# KiCad board kimotor-project.kicad_pcb (continued)
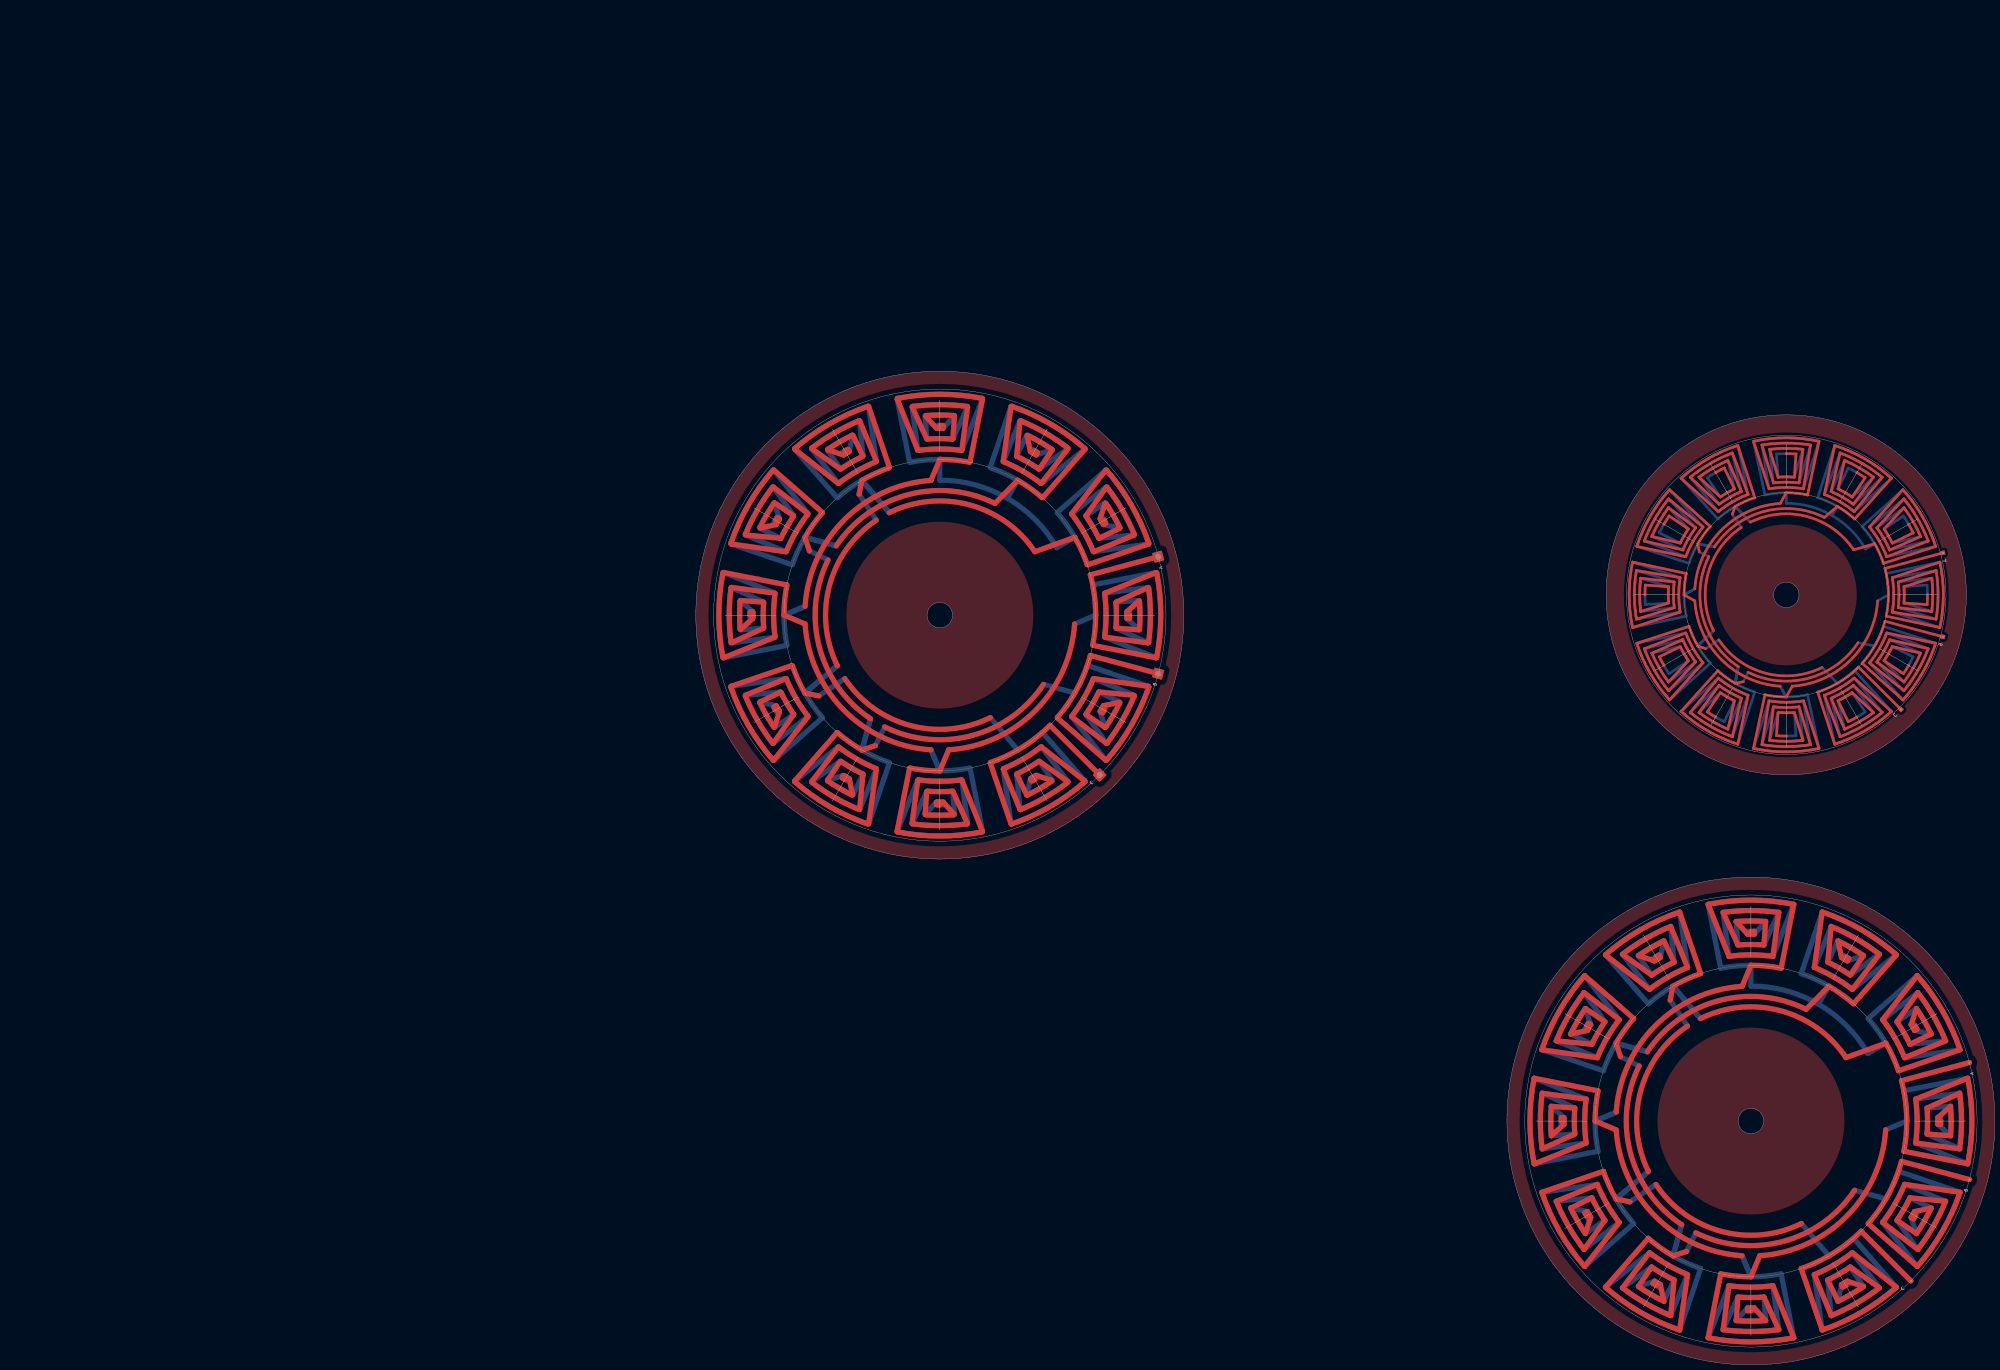
[diagram p0: board, top side]
## Routing (per net, layer and track width the routed paths; a pad name or vN(x,y) marks a point on that pad's centre or on a via; arc(x,y) is an arc through that point) (continued)
  Bottom w2.034: v17(65,346.44) v2(75.72,333.73) v17(65,346.44) ; v17(65,346.44) arc(72.16,349.97) 55.49,339.66 arc(55.34,339.61) 55.21,339.68 38.68,358.57 arc(38.63,358.72) 38.7,358.86 arc(52.25,368.53) 67.36,375.41 arc(67.53,375.39) 67.62,375.25 70.67,353.92 arc(70.65,353.8) 70.55,353.71 arc(62.97,349.97) 55.96,345.3 arc(55.82,345.26) 55.68,345.33 45.34,358.77 arc(45.3,358.92) 45.37,359.06 arc(54.28,365) 63.83,369.72 arc(64.01,369.71) 64.1,369.56 65.42,356.01 arc(65.39,355.89) 65.3,355.81 arc(60.93,353.49) 56.79,350.9 arc(56.64,350.87) 56.51,350.95 51.54,358.25 arc(51.51,358.4) 51.6,358.53 arc(56.32,361.48) 61.05,364 arc(61.26,363.98) 61.33,363.78 60.07,357.75 arc(60.03,357.67) 59.97,357.62 arc(58.9,357.01) 57.93,356.45 arc(57.78,356.42) 57.66,356.51 57.3,357.11 arc(57.28,357.26) 57.37,357.38 arc(67.07,362.26) v18(58.35,357.96) ; v17(382.51,148.33) v2(393.23,135.62) v17(382.51,148.33) ; v17(382.51,148.33) arc(389.67,151.86) 372.85,141.41 356.06,160.61 arc(369.76,170.41) 385.1,177.37 388.21,155.65 arc(380.48,151.85) 373.32,147.06 362.73,160.82 arc(371.8,166.89) 381.59,171.71 382.94,157.75 arc(378.44,155.37) 374.13,152.67 368.94,160.3 arc(373.83,163.37) 378.93,166.06 377.56,159.55 arc(376.41,158.9) 375.27,158.23 374.71,159.16 arc(384.58,164.14) v18(375.86,159.84) ; v17(95.5,232.62) v2(92.04,240.87) v17(95.5,232.62) ; v17(95.5,232.62) arc(87.54,233.14) 107.13,233.73 arc(107.28,233.7) 107.36,233.58 112.23,208.95 arc(112.2,208.8) 112.07,208.72 arc(95.5,207.12) 78.97,208.71 arc(78.83,208.81) 78.82,208.98 86.85,228.97 arc(86.93,229.07) 87.06,229.1 arc(95.5,228.55) 103.9,229.09 arc(104.05,229.05) 104.12,228.92 106.36,212.11 arc(106.32,211.96) 106.19,211.88 arc(95.5,211.18) 84.88,211.87 arc(84.73,211.97) 84.72,212.15 90.36,224.54 arc(90.44,224.63) 90.55,224.66 arc(95.5,224.48) 100.39,224.65 arc(100.53,224.6) 100.6,224.47 101.25,215.66 arc(101.2,215.52) 101.06,215.45 arc(95.5,215.25) 90.14,215.44 arc(89.97,215.56) 90.01,215.77 94.12,220.36 arc(94.19,220.41) 94.27,220.42 arc(95.5,220.41) 96.62,220.42 arc(96.76,220.36) 96.82,220.22 96.84,219.53 arc(96.78,219.39) 96.64,219.33 arc(85.8,219.96) v18(95.5,219.32) ; v17(42.67,324.12) v2(54.93,320.73) v17(42.67,324.12) ; v17(42.67,324.12) arc(47.11,330.75) 37.83,313.49 arc(37.73,313.37) 37.57,313.36 13.82,321.46 arc(13.7,321.56) 13.69,321.72 arc(20.59,336.87) 30.23,350.38 arc(30.39,350.45) 30.54,350.38 43.85,333.43 arc(43.89,333.31) 43.85,333.19 arc(39.15,326.15) 35.42,318.6 arc(35.31,318.5) 35.16,318.5 19.48,324.96 arc(19.37,325.07) 19.37,325.22 arc(24.11,334.83) 30.02,343.69 arc(30.18,343.77) 30.34,343.68 38.25,332.61 arc(38.29,332.49) 38.25,332.38 arc(35.63,328.18) 33.33,323.87 arc(33.22,323.76) 33.07,323.77 25.12,327.61 arc(25.01,327.73) 25.02,327.88 arc(27.63,332.8) 30.47,337.35 arc(30.67,337.43) 30.83,337.3 32.75,331.44 arc(32.75,331.36) 32.73,331.28 arc(32.1,330.22) 31.55,329.24 arc(31.43,329.15) 31.28,329.17 30.67,329.5 arc(30.58,329.62) 30.6,329.77 arc(36.56,338.84) v18(31.16,330.76) ; v2(453.58,68.39) v17(465.84,65) arc(461.41,58.37) 470.75,75.82 494.89,67.59 arc(487.92,52.25) 478.12,38.55 464.57,55.81 arc(469.36,62.97) 473.17,70.7 489.22,64.08 arc(484.4,54.28) 478.33,45.21 470.18,56.62 arc(472.89,60.93) 475.27,65.43 483.58,61.42 arc(480.88,56.32) 477.81,51.43 475.74,57.76 arc(476.41,58.9) 477.06,60.05 478.01,59.52 arc(471.96,50.27) v18(477.35,58.35) ; v2(73.92,249.85) v2(70.32,242.56) ; v2(369.25,117.08) v2(361.95,120.68) ; v2(465.76,92.04) v17(474.01,95.5) arc(473.49,87.54) 472.86,107.32 497.87,112.27 arc(499.51,95.5) 497.87,78.73 477.51,86.9 arc(478.08,95.5) 477.51,104.1 494.72,106.39 arc(495.44,95.5) 494.72,84.61 481.96,90.41 arc(482.15,95.5) 481.96,100.59 491.16,101.26 arc(491.38,95.5) 491.16,89.74 486.2,94.18 arc(486.22,95.5) 486.2,96.82 487.3,96.84 arc(486.67,85.8) v18(487.31,95.5) ; v2(70.65,330.81) v2(63.87,340.95) ; v2(432.8,55.38) v17(443.51,42.67) arc(436.36,39.14) 453.17,49.59 469.96,30.39 arc(456.26,20.59) 440.92,13.63 437.82,35.35 arc(445.55,39.15) 452.71,43.94 463.3,30.18 arc(454.23,24.11) 444.44,19.29 443.08,33.25 arc(447.58,35.63) 451.89,38.33 457.08,30.7 arc(452.19,27.63) 447.1,24.94 448.47,31.45 arc(449.61,32.1) 450.75,32.77 451.31,31.84 arc(441.44,26.86) v18(450.16,31.16) ; v2(391.43,51.74) v2(387.83,44.44) ; v17(413.01,34.5) v2(409.55,42.75) v17(413.01,34.5) ; v17(413.01,34.5) arc(405.05,35.02) 424.84,35.66 429.78,10.64 arc(413.01,9) 396.25,10.64 404.42,31 arc(413.01,30.43) 421.61,31 423.9,13.79 arc(413.01,13.07) 402.12,13.79 407.93,26.55 arc(413.01,26.36) 418.1,26.55 418.78,17.35 arc(413.01,17.14) 407.25,17.35 411.69,22.31 arc(413.01,22.3) 414.33,22.31 414.35,21.22 arc(403.31,21.84) v18(413.01,21.2) ; v17(65,240.79) v2(68.39,253.04) v17(65,240.79) ; v17(65,240.79) arc(58.37,245.22) 75.63,235.94 arc(75.74,235.84) 75.75,235.69 67.65,211.93 arc(67.55,211.82) 67.4,211.81 arc(52.25,218.71) 38.73,228.35 arc(38.66,228.51) 38.74,228.66 55.68,241.96 arc(55.81,242) 55.93,241.96 arc(62.97,237.27) 70.51,233.54 arc(70.62,233.43) 70.62,233.28 64.15,217.59 arc(64.04,217.49) 63.89,217.49 arc(54.28,222.23) 45.43,228.13 arc(45.35,228.3) 45.43,228.46 56.51,236.37 arc(56.62,236.4) 56.74,236.37 arc(60.93,233.74) 65.25,231.45 arc(65.35,231.33) 65.34,231.18 61.5,223.23 arc(61.39,223.13) 61.24,223.14 arc(56.32,225.75) 51.77,228.59 arc(51.68,228.78) 51.82,228.94 57.67,230.86 arc(57.76,230.87) 57.84,230.84 arc(58.9,230.22) 59.87,229.67 arc(59.97,229.55) 59.95,229.4 59.61,228.79 arc(59.49,228.69) 59.34,228.71 arc(50.27,234.67) v18(58.35,229.27) ; v2(136.07,266.51) v17(148.33,263.12) arc(143.89,256.48) 153.17,273.75 arc(153.27,273.86) 153.43,273.87 177.18,265.77 arc(177.3,265.67) 177.31,265.52 arc(170.41,250.37) 160.77,236.85 arc(160.61,236.78) 160.46,236.86 147.15,253.8 arc(147.11,253.92) 147.15,254.05 arc(151.85,261.08) 155.58,268.63 arc(155.69,268.74) 155.84,268.74 171.52,262.27 arc(171.63,262.16) 171.63,262.01 arc(166.89,252.4) 160.98,243.54 arc(160.82,243.47) 160.66,243.55 152.75,254.62 arc(152.71,254.74) 152.75,254.85 arc(155.37,259.05) 157.67,263.37 arc(157.78,263.47) 157.93,263.46 165.88,259.62 arc(165.99,259.51) 165.98,259.35 arc(163.37,254.43) 160.53,249.89 arc(160.33,249.8) 160.17,249.94 158.25,255.79 arc(158.25,255.88) 158.27,255.96 arc(158.9,257.01) 159.45,257.99 arc(159.57,258.08) 159.72,258.07 160.33,257.73 arc(160.42,257.61) 160.4,257.46 arc(154.44,248.39) v18(159.84,256.47) ; v2(148.25,290.16) v17(156.5,293.62) arc(155.98,285.65) 155.38,305.24 arc(155.41,305.39) 155.54,305.48 180.16,310.34 arc(180.31,310.31) 180.4,310.19 arc(182,293.62) 180.41,277.09 arc(180.31,276.95) 180.14,276.94 160.14,284.96 arc(160.04,285.05) 160.02,285.17 arc(160.57,293.62) 160.02,302.01 arc(160.06,302.16) 160.2,302.24 177.01,304.48 arc(177.16,304.44) 177.24,304.31 arc(177.93,293.62) 177.24,282.99 arc(177.14,282.84) 176.96,282.84 164.58,288.47 arc(164.49,288.55) 164.46,288.67 arc(164.64,293.62) 164.46,298.5 arc(164.51,298.65) 164.65,298.72 173.45,299.37 arc(173.6,299.32) 173.67,299.18 arc(173.86,293.62) 173.68,288.26 arc(173.56,288.09) 173.35,288.12 168.76,292.24 arc(168.71,292.3) 168.69,292.39 arc(168.7,293.62) 168.7,294.74 arc(168.75,294.88) 168.89,294.94 169.58,294.95 arc(169.73,294.9) 169.79,294.76 arc(169.16,283.92) v18(169.8,293.62) ; v17(360.18,65) v2(372.9,75.72) v17(360.18,65) ; v17(360.18,65) arc(356.66,72.16) 367.1,55.34 347.9,38.55 arc(338.1,52.25) 331.14,67.59 352.86,70.7 arc(356.66,62.97) 361.45,55.81 347.7,45.21 arc(341.62,54.28) 336.8,64.08 350.76,65.43 arc(353.14,60.93) 355.84,56.62 348.21,51.43 arc(345.15,56.32) 342.45,61.42 348.97,60.05 arc(349.62,58.9) 350.29,57.76 349.35,57.2 arc(344.37,67.07) v18(348.67,58.35) ; v2(51.74,315.2) v2(44.44,318.8) ; v2(58.31,268.77) v2(48.16,261.99) ; v17(382.51,42.67) v2(385.9,54.93) v17(382.51,42.67) ; v17(382.51,42.67) arc(375.88,47.11) 393.33,37.76 385.1,13.63 arc(369.76,20.59) 356.06,30.39 373.32,43.94 arc(380.48,39.15) 388.21,35.35 381.59,19.29 arc(371.8,24.11) 362.73,30.18 374.13,38.33 arc(378.44,35.63) 382.94,33.25 378.93,24.94 arc(373.83,27.63) 368.94,30.7 375.27,32.77 arc(376.41,32.1) 377.56,31.45 377.03,30.5 arc(367.78,36.56) v18(375.86,31.16) ; 439.44,141.28 v17(443.51,148.33) arc(450.15,143.89) 432.69,153.24 440.92,177.37 arc(456.26,170.41) 469.96,160.61 452.71,147.06 arc(445.55,151.85) 437.82,155.65 444.44,171.71 arc(454.23,166.89) 463.3,160.82 451.89,152.67 arc(447.58,155.37) 443.08,157.75 447.1,166.06 arc(452.19,163.37) 457.08,160.3 450.75,158.23 arc(449.61,158.9) 448.47,159.55 448.99,160.5 arc(458.24,154.44) v18(450.16,159.84) ; v17(42.67,263.12) v2(55.38,273.83) v17(42.67,263.12) ; v17(42.67,263.12) arc(39.14,270.27) 49.46,253.61 arc(49.5,253.46) 49.44,253.32 30.54,236.8 arc(30.4,236.75) 30.26,236.82 arc(20.59,250.37) 13.7,265.48 arc(13.72,265.65) 13.87,265.74 35.19,268.79 arc(35.32,268.77) 35.4,268.67 arc(39.15,261.08) 43.82,254.08 arc(43.86,253.93) 43.78,253.8 30.34,243.45 arc(30.19,243.41) 30.06,243.49 arc(24.11,252.4) 19.4,261.94 arc(19.41,262.12) 19.56,262.22 33.11,263.53 arc(33.22,263.51) 33.31,263.42 arc(35.63,259.05) 38.22,254.9 arc(38.25,254.75) 38.17,254.63 30.87,249.66 arc(30.72,249.63) 30.59,249.71 arc(27.63,254.43) 25.12,259.16 arc(25.14,259.38) 25.34,259.45 31.36,258.18 arc(31.44,258.15) 31.5,258.08 arc(32.1,257.01) 32.67,256.05 arc(32.69,255.9) 32.6,255.77 32.01,255.42 arc(31.86,255.4) 31.73,255.49 arc(26.86,265.18) v18(31.16,256.47) ; v2(375.82,70.65) v2(365.68,63.87) ; v17(352.01,95.5) v2(360.26,98.96) v17(352.01,95.5) ; v17(352.01,95.5) arc(352.53,103.46) 353.17,83.68 328.15,78.73 arc(326.51,95.5) 328.15,112.27 348.51,104.1 arc(347.94,95.5) 348.51,86.9 331.3,84.61 arc(330.58,95.5) 331.3,106.39 344.06,100.59 arc(343.88,95.5) 344.06,90.41 334.86,89.74 arc(334.65,95.5) 334.86,101.26 339.82,96.82 arc(339.81,95.5) 339.82,94.18 338.73,94.16 arc(339.35,105.2) v18(338.72,95.5) ; v17(34.5,293.62) v2(42.75,297.07) v17(34.5,293.62) ; v17(34.5,293.62) arc(35.02,301.58) 35.62,281.99 arc(35.59,281.84) 35.46,281.75 10.84,276.89 arc(10.69,276.92) 10.6,277.05 arc(9,293.62) 10.59,310.14 arc(10.69,310.28) 10.86,310.29 30.86,302.27 arc(30.96,302.19) 30.98,302.06 arc(30.43,293.62) 30.98,285.22 arc(30.94,285.07) 30.8,284.99 13.99,282.75 arc(13.84,282.79) 13.76,282.92 arc(13.07,293.62) 13.76,304.24 arc(13.86,304.39) 14.04,304.39 26.42,298.76 arc(26.51,298.68) 26.54,298.56 arc(26.36,293.62) 26.54,288.73 arc(26.49,288.58) 26.35,288.52 17.55,287.87 arc(17.4,287.91) 17.33,288.05 arc(17.14,293.62) 17.32,298.97 arc(17.44,299.14) 17.65,299.11 22.24,295 arc(22.29,294.93) 22.31,294.84 arc(22.3,293.62) 22.3,292.5 arc(22.25,292.35) 22.11,292.29 21.42,292.28 arc(21.27,292.34) 21.21,292.48 arc(21.84,303.31) v18(21.2,293.62) ; 121.93,339.4 v17(126,346.44) arc(132.63,342.01) 115.37,351.29 arc(115.26,351.39) 115.25,351.54 123.35,375.3 arc(123.45,375.42) 123.6,375.42 arc(138.75,368.53) 152.27,358.88 arc(152.34,358.73) 152.26,358.57 135.32,345.27 arc(135.19,345.23) 135.07,345.27 arc(128.03,349.97) 120.49,353.69 arc(120.38,353.8) 120.38,353.96 126.85,369.64 arc(126.96,369.75) 127.11,369.75 arc(136.72,365) 145.57,359.1 arc(145.65,358.94) 145.57,358.78 134.49,350.87 arc(134.38,350.83) 134.26,350.86 arc(130.07,353.49) 125.75,355.78 arc(125.65,355.9) 125.66,356.05 129.5,364 arc(129.61,364.1) 129.76,364.09 arc(134.68,361.48) 139.23,358.64 arc(139.32,358.45) 139.18,358.29 133.33,356.37 arc(133.24,356.36) 133.16,356.39 arc(132.1,357.01) 131.13,357.57 arc(131.03,357.69) 131.05,357.84 131.39,358.44 arc(131.51,358.54) 131.66,358.52 arc(140.73,352.56) v18(132.65,357.96) ; v17(360.18,126) v2(372.44,122.61) v17(360.18,126) ; v17(360.18,126) arc(364.62,132.63) 355.27,115.18 331.14,123.41 arc(338.1,138.75) 347.9,152.45 361.45,135.19 arc(356.66,128.03) 352.86,120.3 336.8,126.92 arc(341.62,136.72) 347.7,145.79 355.84,134.38 arc(353.14,130.07) 350.76,125.57 342.45,129.58 arc(345.15,134.68) 348.21,139.57 350.29,133.24 arc(349.62,132.1) 348.97,130.95 348.01,131.48 arc(354.07,140.73) v18(348.67,132.65) ; v2(115.28,253.5) v17(126,240.79) arc(118.84,237.26) 135.51,247.57 arc(135.66,247.62) 135.79,247.55 152.32,228.66 arc(152.37,228.51) 152.3,228.38 arc(138.75,218.71) 123.64,211.82 arc(123.47,211.84) 123.38,211.98 120.33,233.31 arc(120.35,233.43) 120.45,233.52 arc(128.03,237.27) 135.04,241.94 arc(135.18,241.98) 135.32,241.9 145.66,228.46 arc(145.7,228.31) 145.63,228.18 arc(136.72,222.23) 127.17,217.51 arc(126.99,217.53) 126.9,217.68 125.58,231.22 arc(125.61,231.34) 125.7,231.42 arc(130.07,233.74) 134.21,236.34 arc(134.36,236.37) 134.49,236.28 139.46,228.98 arc(139.49,228.83) 139.4,228.7 arc(134.68,225.75) 129.95,223.23 arc(129.74,223.25) 129.67,223.45 130.93,229.48 arc(130.97,229.56) 131.03,229.61 arc(132.1,230.22) 133.07,230.79 arc(133.22,230.81) 133.34,230.72 133.7,230.13 arc(133.72,229.97) 133.63,229.85 arc(123.93,224.98) v18(132.65,229.27) ; v2(388.16,132.69) v2(381.38,142.84) ; v18(477.35,132.65) arc(481.65,123.93) 476.67,133.8 475.74,133.24 arc(476.41,132.1) 477.06,130.95 483.58,129.58 arc(480.88,134.68) 477.81,139.57 470.18,134.38 arc(472.89,130.07) 475.27,125.57 489.22,126.92 arc(484.4,136.72) 478.33,145.79 464.57,135.19 arc(469.36,128.03) 473.17,120.3 494.89,123.41 arc(487.92,138.75) 478.12,152.45 458.93,135.66 arc(469.37,118.84) v17(465.84,126) 458.79,121.93 arc(439.44,141.28) 413.01,148.36 v17(413.01,156.5) arc(420.97,155.98) 401.19,155.34 396.25,180.36 arc(413.01,182) 429.78,180.36 421.61,160 arc(413.01,160.57) 404.42,160 402.12,177.21 arc(413.01,177.93) 423.9,177.21 418.1,164.45 arc(413.01,164.64) 407.93,164.45 407.25,173.65 arc(413.01,173.86) 418.78,173.65 414.33,168.69 arc(413.01,168.7) 411.69,168.69 411.67,169.78 arc(422.71,169.16) v18(413.01,169.8) ; v18(95.5,367.91) arc(105.2,367.28) 94.36,367.9 arc(94.22,367.84) 94.16,367.7 94.18,367.01 arc(94.24,366.87) 94.38,366.81 arc(95.5,366.82) 96.73,366.81 arc(96.81,366.83) 96.88,366.88 100.99,371.46 arc(101.03,371.67) 100.86,371.8 arc(95.5,371.98) 89.94,371.78 arc(89.8,371.71) 89.75,371.57 90.4,362.76 arc(90.47,362.63) 90.61,362.58 arc(95.5,362.75) 100.45,362.58 arc(100.56,362.6) 100.64,362.69 106.28,375.08 arc(106.27,375.26) 106.12,375.36 arc(95.5,376.05) 84.81,375.35 arc(84.68,375.28) 84.64,375.13 86.88,358.31 arc(86.95,358.18) 87.1,358.14 arc(95.5,358.68) 103.94,358.13 arc(104.07,358.16) 104.15,358.26 112.18,378.25 arc(112.17,378.42) 112.03,378.52 arc(95.5,380.12) 78.93,378.51 arc(78.8,378.43) 78.77,378.28 83.64,353.66 arc(83.72,353.53) 83.87,353.5 arc(103.46,354.09) v17(95.5,354.62) 95.5,346.48 arc(121.93,339.4) 141.28,320.05 v17(148.33,324.12) arc(151.86,316.96) 141.55,333.63 arc(141.5,333.77) 141.56,333.91 160.46,350.43 arc(160.6,350.48) 160.74,350.41 arc(170.41,336.87) 177.3,321.76 arc(177.28,321.59) 177.13,321.49 155.81,318.44 arc(155.68,318.47) 155.6,318.56 arc(151.85,326.15) 147.18,333.15 arc(147.14,333.3) 147.22,333.43 160.66,343.78 arc(160.81,343.82) 160.94,343.74 arc(166.89,334.83) 171.6,325.29 arc(171.59,325.11) 171.44,325.01 157.89,323.7 arc(157.78,323.72) 157.69,323.81 arc(155.37,328.18) 152.78,332.33 arc(152.75,332.48) 152.83,332.61 160.13,337.57 arc(160.28,337.6) 160.41,337.52 arc(163.37,332.8) 165.88,328.07 arc(165.86,327.86) 165.66,327.78 159.64,329.05 arc(159.56,329.09) 159.5,329.15 arc(158.9,330.22) 158.33,331.18 arc(158.31,331.34) 158.4,331.46 158.99,331.81 arc(159.14,331.84) 159.27,331.75 arc(164.14,322.05) v18(159.84,330.76)
  In5.Cu w0.134: -195.15,452.52 arc(-194.2,453.94) -196.38,449.64 -223.27,457.45 arc(-219.4,466.52) -213.47,474.41 -193.65,455.01 arc(-195.38,452.66) -196.56,449.98 -222.77,458.16 arc(-219.17,466.39) -213.84,473.62 -194.02,455 arc(-195.61,452.79) -196.73,450.31 -222.27,458.84 arc(-218.93,466.25) -214.18,472.85 -194.4,454.97 arc(-195.85,452.92) -196.9,450.65 -221.76,459.5 arc(-218.7,466.12) -214.49,472.08 -194.78,454.94 arc(-196.08,453.06) -197.06,450.99 -221.25,460.12 arc(-218.47,465.99) -214.78,471.32 -195.15,454.9 arc(-196.31,453.19) -197.21,451.34 -220.73,460.72 arc(-218.24,465.85) -215.04,470.58 -195.53,454.85 arc(-196.54,453.33) -197.36,451.68 -220.2,461.29 arc(-218.01,465.72) -215.27,469.84 -195.9,454.8 arc(-196.77,453.46) -197.5,452.03 -219.68,461.83 arc(-214.93,469.84) -217.77,465.58 ; -217.77,426.46 arc(-220.04,431.05) -215.47,422.93 -195.9,437.24 arc(-196.77,438.58) -197.5,440.01 -220.2,430.76 arc(-218.01,426.33) -215.27,422.2 -195.53,437.19 arc(-196.54,438.72) -197.36,440.36 -220.73,431.33 arc(-218.24,426.19) -215.04,421.47 -195.15,437.14 arc(-196.31,438.85) -197.21,440.71 -221.25,431.92 arc(-218.47,426.06) -214.78,420.72 -194.78,437.1 arc(-196.08,438.99) -197.06,441.05 -221.76,432.55 arc(-218.7,425.92) -214.49,419.96 -194.4,437.07 arc(-195.85,439.12) -196.9,441.39 -222.27,433.2 arc(-218.93,425.79) -214.18,419.2 -194.02,437.05 arc(-195.61,439.25) -196.73,441.73 -222.77,433.88 arc(-219.17,425.66) -213.84,418.42 -193.65,437.03 arc(-195.38,439.39) -196.56,442.07 -223.27,434.6 arc(-219.4,425.52) -213.47,417.63 -193.27,437.02 arc(-195.9,441.05) -195.15,439.52 ; -164.33,412.14 arc(-168.92,409.88) -160.8,414.44 -175.11,434.01 arc(-176.45,433.14) -177.88,432.41 -168.63,409.71 arc(-164.19,411.91) -160.07,414.65 -175.06,434.39 arc(-176.59,433.37) -178.23,432.56 -169.2,409.18 arc(-164.06,411.68) -159.34,414.88 -175.01,434.76 arc(-176.72,433.6) -178.58,432.7 -169.79,408.67 arc(-163.93,411.44) -158.59,415.13 -174.97,435.14 arc(-176.85,433.84) -178.92,432.86 -170.42,408.15 arc(-163.79,411.21) -157.83,415.42 -174.94,435.51 arc(-176.99,434.07) -179.26,433.02 -171.07,407.64 arc(-163.66,410.98) -157.06,415.73 -174.92,435.89 arc(-177.12,434.3) -179.6,433.18 -171.75,407.14 arc(-163.52,410.75) -156.29,416.07 -174.9,436.26 arc(-177.26,434.53) -179.94,433.36 -172.46,406.65 arc(-163.39,410.51) -155.5,416.44 -174.89,436.64 arc(-178.92,434.01) -177.39,434.76 ; -183.89,459.02 arc(-182.19,458.91) -187,458.65 -193.68,485.84 arc(-183.89,487.02) -174.1,485.84 -180.98,458.97 arc(-183.89,459.29) -186.8,458.97 -192.82,485.76 arc(-183.89,486.75) -174.96,485.76 -181.19,459.28 arc(-183.89,459.56) -186.6,459.28 -191.98,485.67 arc(-183.89,486.49) -175.8,485.67 -181.4,459.6 arc(-183.89,459.83) -186.39,459.6 -191.16,485.56 arc(-183.89,486.22) -176.62,485.56 -181.61,459.91 arc(-183.89,460.09) -186.17,459.91 -190.36,485.42 arc(-183.89,485.95) -177.42,485.42 -181.83,460.21 arc(-183.89,460.36) -185.95,460.21 -189.58,485.27 arc(-183.89,485.68) -178.2,485.27 -182.06,460.51 arc(-183.89,460.63) -185.72,460.51 -188.83,485.1 arc(-183.89,485.41) -178.95,485.1 -182.29,460.81 arc(-183.89,460.9) -185.49,460.81 -188.09,484.92 arc(-178.78,484.81) -183.89,485.15 ; -223.01,446.02 arc(-222.68,451.13) -222.79,441.82 -198.68,444.42 arc(-198.77,446.02) -198.68,447.62 -222.97,450.96 arc(-223.28,446.02) -222.97,441.08 -198.38,444.19 arc(-198.5,446.02) -198.38,447.85 -223.14,451.71 arc(-223.55,446.02) -223.14,440.33 -198.08,443.96 arc(-198.23,446.02) -198.08,448.08 -223.29,452.49 arc(-223.82,446.02) -223.29,439.55 -197.78,443.74 arc(-197.96,446.02) -197.78,448.3 -223.42,453.29 arc(-224.09,446.02) -223.42,438.76 -197.47,443.53 arc(-197.69,446.02) -197.47,448.52 -223.54,454.11 arc(-224.35,446.02) -223.54,437.94 -197.15,443.32 arc(-197.43,446.02) -197.15,448.73 -223.63,454.95 arc(-224.62,446.02) -223.63,437.09 -196.84,443.11 arc(-197.16,446.02) -196.84,448.93 -223.7,455.81 arc(-224.89,446.02) -223.7,436.23 -196.51,442.92 arc(-196.78,447.72) -196.89,446.02 ; -203.45,412.14 arc(-207.71,414.98) -199.7,410.23 -189.9,432.41 arc(-191.33,433.14) -192.67,434.01 -207.71,414.65 arc(-203.59,411.91) -199.15,409.71 -189.55,432.56 arc(-191.19,433.37) -192.72,434.39 -208.45,414.88 arc(-203.72,411.68) -198.59,409.18 -189.2,432.7 arc(-191.06,433.6) -192.77,434.76 -209.19,415.13 arc(-203.85,411.44) -197.99,408.67 -188.86,432.86 arc(-190.93,433.84) -192.81,435.14 -209.95,415.42 arc(-203.99,411.21) -197.36,408.15 -188.52,433.02 arc(-190.79,434.07) -192.84,435.51 -210.72,415.73 arc(-204.12,410.98) -196.71,407.64 -188.18,433.18 arc(-190.66,434.3) -192.86,435.89 -211.49,416.07 arc(-204.26,410.75) -196.03,407.14 -187.84,433.36 arc(-190.52,434.53) -192.88,436.26 -212.28,416.44 arc(-204.39,410.51) -195.32,406.65 -187.51,433.54 arc(-191.8,435.71) -190.39,434.76 ; -170.89,446.02 arc(-171,444.32) -171.27,449.13 -144.08,455.81 arc(-142.89,446.02) -144.08,436.23 -170.95,443.11 arc(-170.62,446.02) -170.95,448.93 -144.15,454.95 arc(-143.16,446.02) -144.15,437.09 -170.63,443.32 arc(-170.35,446.02) -170.63,448.73 -144.24,454.11 arc(-143.43,446.02) -144.24,437.94 -170.31,443.53 arc(-170.09,446.02) -170.31,448.52 -144.36,453.29 arc(-143.69,446.02) -144.36,438.76 -170,443.74 arc(-169.82,446.02) -170,448.3 -144.49,452.49 arc(-143.96,446.02) -144.49,439.55 -169.7,443.96 arc(-169.55,446.02) -169.7,448.08 -144.64,451.71 arc(-144.23,446.02) -144.64,440.33 -169.4,444.19 arc(-169.28,446.02) -169.4,447.85 -144.81,450.96 arc(-144.5,446.02) -144.81,441.08 -169.1,444.42 arc(-169.01,446.02) -169.1,447.62 -144.99,450.23 arc(-145.1,440.92) -144.77,446.02 ; -183.89,406.9 arc(-189,407.23) -179.69,407.12 -182.29,431.23 arc(-183.89,431.15) -185.49,431.23 -188.83,406.94 arc(-183.89,406.63) -178.95,406.94 -182.06,431.53 arc(-183.89,431.41) -185.72,431.53 -189.58,406.77 arc(-183.89,406.36) -178.2,406.77 -181.83,431.83 arc(-183.89,431.68) -185.95,431.83 -190.36,406.62 arc(-183.89,406.09) -177.42,406.62 -181.61,432.14 arc(-183.89,431.95) -186.17,432.14 -191.16,406.49 arc(-183.89,405.83) -176.62,406.49 -181.4,432.45 arc(-183.89,432.22) -186.39,432.45 -191.98,406.37 arc(-183.89,405.56) -175.8,406.37 -181.19,432.76 arc(-183.89,432.49) -186.6,432.76 -192.82,406.28 arc(-183.89,405.29) -174.96,406.28 -180.98,433.08 arc(-183.89,432.75) -186.8,433.08 -193.68,406.21 arc(-183.89,405.02) -174.1,406.21 -180.79,433.4 arc(-185.59,433.13) -183.89,433.02 ; -164.33,479.9 arc(-160.07,477.06) -168.08,481.81 -177.88,459.63 arc(-176.45,458.9) -175.11,458.03 -160.07,477.4 arc(-164.19,480.14) -168.63,482.34 -178.23,459.49 arc(-176.59,458.67) -175.06,457.66 -159.34,477.17 arc(-164.06,480.37) -169.2,482.86 -178.58,459.34 arc(-176.72,458.44) -175.01,457.28 -158.59,476.91 arc(-163.93,480.6) -169.79,483.38 -178.92,459.19 arc(-176.85,458.21) -174.97,456.91 -157.83,476.63 arc(-163.79,480.83) -170.42,483.89 -179.26,459.03 arc(-176.99,457.98) -174.94,456.53 -157.06,476.31 arc(-163.66,481.06) -171.07,484.4 -179.6,458.86 arc(-177.12,457.74) -174.92,456.16 -156.29,475.97 arc(-163.52,481.3) -171.75,484.9 -179.94,458.69 arc(-177.26,457.51) -174.9,455.78 -155.5,475.6 arc(-163.39,481.53) -172.46,485.4 -180.27,458.51 arc(-175.98,456.34) -177.39,457.28 ; -172.63,439.52 arc(-173.58,438.11) -171.41,442.4 -144.51,434.6 arc(-148.38,425.52) -154.31,417.63 -174.13,437.03 arc(-172.4,439.39) -171.23,442.07 -145.01,433.88 arc(-148.62,425.66) -153.94,418.42 -173.76,437.05 arc(-172.17,439.25) -171.05,441.73 -145.51,433.2 arc(-148.85,425.79) -153.6,419.2 -173.38,437.07 arc(-171.94,439.12) -170.89,441.39 -146.02,432.55 arc(-149.08,425.92) -153.29,419.96 -173,437.1 arc(-171.7,438.99) -170.73,441.05 -146.53,431.92 arc(-149.31,426.06) -153,420.72 -172.63,437.14 arc(-171.47,438.85) -170.57,440.71 -147.05,431.33 arc(-149.54,426.19) -152.75,421.47 -172.26,437.19 arc(-171.24,438.72) -170.42,440.36 -147.58,430.76 arc(-149.78,426.33) -152.51,422.2 -171.88,437.24 arc(-171.01,438.58) -170.28,440.01 -148.1,430.21 arc(-152.85,422.2) -150.01,426.46 ; -172.63,452.52 arc(-171.88,451) -174.51,455.02 -154.31,474.41 arc(-148.38,466.52) -144.51,457.45 -171.23,449.98 arc(-172.4,452.66) -174.13,455.01 -153.94,473.62 arc(-148.62,466.39) -145.01,458.16 -171.05,450.31 arc(-172.17,452.79) -173.76,455 -153.6,472.85 arc(-148.85,466.25) -145.51,458.84 -170.89,450.65 arc(-171.94,452.92) -173.38,454.97 -153.29,472.08 arc(-149.08,466.12) -146.02,459.5 -170.73,450.99 arc(-171.7,453.06) -173,454.94 -153,471.32 arc(-149.31,465.99) -146.53,460.12 -170.57,451.34 arc(-171.47,453.19) -172.63,454.9 -152.75,470.58 arc(-149.54,465.85) -147.05,460.72 -170.42,451.68 arc(-171.24,453.33) -172.26,454.85 -152.51,469.84 arc(-149.78,465.72) -147.58,461.29 -170.28,452.03 arc(-171.01,453.46) -171.88,454.8 -152.31,469.11 arc(-147.74,460.99) -150.01,465.58 ; -190.39,457.28 arc(-188.87,458.03) -192.89,455.4 -212.28,475.6 arc(-204.39,481.53) -195.32,485.4 -187.84,458.69 arc(-190.52,457.51) -192.88,455.78 -211.49,475.97 arc(-204.26,481.3) -196.03,484.9 -188.18,458.86 arc(-190.66,457.74) -192.86,456.16 -210.72,476.31 arc(-204.12,481.06) -196.71,484.4 -188.52,459.03 arc(-190.79,457.98) -192.84,456.53 -209.95,476.63 arc(-203.99,480.83) -197.36,483.89 -188.86,459.19 arc(-190.93,458.21) -192.81,456.91 -209.19,476.91 arc(-203.85,480.6) -197.99,483.38 -189.2,459.34 arc(-191.06,458.44) -192.77,457.28 -208.45,477.17 arc(-203.72,480.37) -198.59,482.86 -189.55,459.49 arc(-191.19,458.67) -192.72,457.66 -207.71,477.4 arc(-203.59,480.14) -199.15,482.34 -189.9,459.63 arc(-191.33,458.9) -192.67,458.03 -206.98,477.61 arc(-198.86,482.17) -203.45,479.9
  In6.Cu w0.134: -195.15,439.52 arc(-195.9,441.05) -196.38,442.4 -223.27,434.6 arc(-219.4,425.52) -213.47,417.63 -193.65,437.03 arc(-195.38,439.39) -196.56,442.07 -222.77,433.88 arc(-219.17,425.66) -213.84,418.42 -194.02,437.05 arc(-195.61,439.25) -196.73,441.73 -222.27,433.2 arc(-218.93,425.79) -214.18,419.2 -194.4,437.07 arc(-195.85,439.12) -196.9,441.39 -221.76,432.55 arc(-218.7,425.92) -214.49,419.96 -194.78,437.1 arc(-196.08,438.99) -197.06,441.05 -221.25,431.92 arc(-218.47,426.06) -214.78,420.72 -195.15,437.14 arc(-196.31,438.85) -197.21,440.71 -220.73,431.33 arc(-218.24,426.19) -215.04,421.47 -195.53,437.19 arc(-196.54,438.72) -197.36,440.36 -220.2,430.76 arc(-218.01,426.33) -215.27,422.2 -195.9,437.24 arc(-196.77,438.58) -197.5,440.01 -219.68,430.21 arc(-220.04,431.05) -217.77,426.46 ; -190.39,434.76 arc(-191.8,435.71) -192.89,436.64 -212.28,416.44 arc(-204.39,410.51) -195.32,406.65 -187.84,433.36 arc(-190.52,434.53) -192.88,436.26 -211.49,416.07 arc(-204.26,410.75) -196.03,407.14 -188.18,433.18 arc(-190.66,434.3) -192.86,435.89 -210.72,415.73 arc(-204.12,410.98) -196.71,407.64 -188.52,433.02 arc(-190.79,434.07) -192.84,435.51 -209.95,415.42 arc(-203.99,411.21) -197.36,408.15 -188.86,432.86 arc(-190.93,433.84) -192.81,435.14 -209.19,415.13 arc(-203.85,411.44) -197.99,408.67 -189.2,432.7 arc(-191.06,433.6) -192.77,434.76 -208.45,414.88 arc(-203.72,411.68) -198.59,409.18 -189.55,432.56 arc(-191.19,433.37) -192.72,434.39 -207.71,414.65 arc(-203.59,411.91) -199.15,409.71 -189.9,432.41 arc(-191.33,433.14) -192.67,434.01 -206.98,414.44 arc(-207.71,414.98) -203.45,412.14 ; -172.63,439.52 arc(-173.58,438.11) -174.51,437.02 -154.31,417.63 arc(-148.38,425.52) -144.51,434.6 -171.23,442.07 arc(-172.4,439.39) -174.13,437.03 -153.94,418.42 arc(-148.62,425.66) -145.01,433.88 -171.05,441.73 arc(-172.17,439.25) -173.76,437.05 -153.6,419.2 arc(-148.85,425.79) -145.51,433.2 -170.89,441.39 arc(-171.94,439.12) -173.38,437.07 -153.29,419.96 arc(-149.08,425.92) -146.02,432.55 -170.73,441.05 arc(-171.7,438.99) -173,437.1 -153,420.72 arc(-149.31,426.06) -146.53,431.92 -170.57,440.71 arc(-171.47,438.85) -172.63,437.14 -152.75,421.47 arc(-149.54,426.19) -147.05,431.33 -170.42,440.36 arc(-171.24,438.72) -172.26,437.19 -152.51,422.2 arc(-149.78,426.33) -147.58,430.76 -170.28,440.01 arc(-171.01,438.58) -171.88,437.24 -152.31,422.93 arc(-152.85,422.2) -150.01,426.46 ; -164.33,479.9 arc(-160.07,477.06) -160.8,477.61 -175.11,458.03 arc(-176.45,458.9) -177.88,459.63 -168.63,482.34 arc(-164.19,480.14) -160.07,477.4 -175.06,457.66 arc(-176.59,458.67) -178.23,459.49 -169.2,482.86 arc(-164.06,480.37) -159.34,477.17 -175.01,457.28 arc(-176.72,458.44) -178.58,459.34 -169.79,483.38 arc(-163.93,480.6) -158.59,476.91 -174.97,456.91 arc(-176.85,458.21) -178.92,459.19 -170.42,483.89 arc(-163.79,480.83) -157.83,476.63 -174.94,456.53 arc(-176.99,457.98) -179.26,459.03 -171.07,484.4 arc(-163.66,481.06) -157.06,476.31 -174.92,456.16 arc(-177.12,457.74) -179.6,458.86 -171.75,484.9 arc(-163.52,481.3) -156.29,475.97 -174.9,455.78 arc(-177.26,457.51) -179.94,458.69 -172.46,485.4 arc(-163.39,481.53) -155.5,475.6 -174.89,455.4 arc(-175.98,456.34) -177.39,457.28 ; -170.89,446.02 arc(-171,444.32) -171.27,442.92 -144.08,436.23 arc(-142.89,446.02) -144.08,455.81 -170.95,448.93 arc(-170.62,446.02) -170.95,443.11 -144.15,437.09 arc(-143.16,446.02) -144.15,454.95 -170.63,448.73 arc(-170.35,446.02) -170.63,443.32 -144.24,437.94 arc(-143.43,446.02) -144.24,454.11 -170.31,448.52 arc(-170.09,446.02) -170.31,443.53 -144.36,438.76 arc(-143.69,446.02) -144.36,453.29 -170,448.3 arc(-169.82,446.02) -170,443.74 -144.49,439.55 arc(-143.96,446.02) -144.49,452.49 -169.7,448.08 arc(-169.55,446.02) -169.7,443.96 -144.64,440.33 arc(-144.23,446.02) -144.64,451.71 -169.4,447.85 arc(-169.28,446.02) -169.4,444.19 -144.81,441.08 arc(-144.5,446.02) -144.81,450.96 -169.1,447.62 arc(-169.01,446.02) -169.1,444.42 -144.99,441.82 arc(-145.1,440.92) -144.77,446.02 ; -177.39,434.76 arc(-178.92,434.01) -180.27,433.54 -172.46,406.65 arc(-163.39,410.51) -155.5,416.44 -174.9,436.26 arc(-177.26,434.53) -179.94,433.36 -171.75,407.14 arc(-163.52,410.75) -156.29,416.07 -174.92,435.89 arc(-177.12,434.3) -179.6,433.18 -171.07,407.64 arc(-163.66,410.98) -157.06,415.73 -174.94,435.51 arc(-176.99,434.07) -179.26,433.02 -170.42,408.15 arc(-163.79,411.21) -157.83,415.42 -174.97,435.14 arc(-176.85,433.84) -178.92,432.86 -169.79,408.67 arc(-163.93,411.44) -158.59,415.13 -175.01,434.76 arc(-176.72,433.6) -178.58,432.7 -169.2,409.18 arc(-164.06,411.68) -159.34,414.88 -175.06,434.39 arc(-176.59,433.37) -178.23,432.56 -168.63,409.71 arc(-164.19,411.91) -160.07,414.65 -175.11,434.01 arc(-176.45,433.14) -177.88,432.41 -168.08,410.23 arc(-168.92,409.88) -164.33,412.14 ; -203.45,479.9 arc(-198.86,482.17) -199.7,481.81 -189.9,459.63 arc(-191.33,458.9) -192.67,458.03 -207.71,477.4 arc(-203.59,480.14) -199.15,482.34 -189.55,459.49 arc(-191.19,458.67) -192.72,457.66 -208.45,477.17 arc(-203.72,480.37) -198.59,482.86 -189.2,459.34 arc(-191.06,458.44) -192.77,457.28 -209.19,476.91 arc(-203.85,480.6) -197.99,483.38 -188.86,459.19 arc(-190.93,458.21) -192.81,456.91 -209.95,476.63 arc(-203.99,480.83) -197.36,483.89 -188.52,459.03 arc(-190.79,457.98) -192.84,456.53 -210.72,476.31 arc(-204.12,481.06) -196.71,484.4 -188.18,458.86 arc(-190.66,457.74) -192.86,456.16 -211.49,475.97 arc(-204.26,481.3) -196.03,484.9 -187.84,458.69 arc(-190.52,457.51) -192.88,455.78 -212.28,475.6 arc(-204.39,481.53) -195.32,485.4 -187.51,458.51 arc(-188.87,458.03) -190.39,457.28 ; -195.15,452.52 arc(-194.2,453.94) -193.27,455.02 -213.47,474.41 arc(-219.4,466.52) -223.27,457.45 -196.56,449.98 arc(-195.38,452.66) -193.65,455.01 -213.84,473.62 arc(-219.17,466.39) -222.77,458.16 -196.73,450.31 arc(-195.61,452.79) -194.02,455 -214.18,472.85 arc(-218.93,466.25) -222.27,458.84 -196.9,450.65 arc(-195.85,452.92) -194.4,454.97 -214.49,472.08 arc(-218.7,466.12) -221.76,459.5 -197.06,450.99 arc(-196.08,453.06) -194.78,454.94 -214.78,471.32 arc(-218.47,465.99) -221.25,460.12 -197.21,451.34 arc(-196.31,453.19) -195.15,454.9 -215.04,470.58 arc(-218.24,465.85) -220.73,460.72 -197.36,451.68 arc(-196.54,453.33) -195.53,454.85 -215.27,469.84 arc(-218.01,465.72) -220.2,461.29 -197.5,452.03 arc(-196.77,453.46) -195.9,454.8 -215.47,469.11 arc(-214.93,469.84) -217.77,465.58 ; -196.89,446.02 arc(-196.78,447.72) -196.51,449.13 -223.7,455.81 arc(-224.89,446.02) -223.7,436.23 -196.84,443.11 arc(-197.16,446.02) -196.84,448.93 -223.63,454.95 arc(-224.62,446.02) -223.63,437.09 -197.15,443.32 arc(-197.43,446.02) -197.15,448.73 -223.54,454.11 arc(-224.35,446.02) -223.54,437.94 -197.47,443.53 arc(-197.69,446.02) -197.47,448.52 -223.42,453.29 arc(-224.09,446.02) -223.42,438.76 -197.78,443.74 arc(-197.96,446.02) -197.78,448.3 -223.29,452.49 arc(-223.82,446.02) -223.29,439.55 -198.08,443.96 arc(-198.23,446.02) -198.08,448.08 -223.14,451.71 arc(-223.55,446.02) -223.14,440.33 -198.38,444.19 arc(-198.5,446.02) -198.38,447.85 -222.97,450.96 arc(-223.28,446.02) -222.97,441.08 -198.68,444.42 arc(-198.77,446.02) -198.68,447.62 -222.79,450.23 arc(-222.68,451.13) -223.01,446.02 ; -183.89,459.02 arc(-182.19,458.91) -180.79,458.65 -174.1,485.84 arc(-183.89,487.02) -193.68,485.84 -186.8,458.97 arc(-183.89,459.29) -180.98,458.97 -174.96,485.76 arc(-183.89,486.75) -192.82,485.76 -186.6,459.28 arc(-183.89,459.56) -181.19,459.28 -175.8,485.67 arc(-183.89,486.49) -191.98,485.67 -186.39,459.6 arc(-183.89,459.83) -181.4,459.6 -176.62,485.56 arc(-183.89,486.22) -191.16,485.56 -186.17,459.91 arc(-183.89,460.09) -181.61,459.91 -177.42,485.42 arc(-183.89,485.95) -190.36,485.42 -185.95,460.21 arc(-183.89,460.36) -181.83,460.21 -178.2,485.27 arc(-183.89,485.68) -189.58,485.27 -185.72,460.51 arc(-183.89,460.63) -182.06,460.51 -178.95,485.1 arc(-183.89,485.41) -188.83,485.1 -185.49,460.81 arc(-183.89,460.9) -182.29,460.81 -179.69,484.92 arc(-178.78,484.81) -183.89,485.15 ; -172.63,452.52 arc(-171.88,451) -171.41,449.64 -144.51,457.45 arc(-148.38,466.52) -154.31,474.41 -174.13,455.01 arc(-172.4,452.66) -171.23,449.98 -145.01,458.16 arc(-148.62,466.39) -153.94,473.62 -173.76,455 arc(-172.17,452.79) -171.05,450.31 -145.51,458.84 arc(-148.85,466.25) -153.6,472.85 -173.38,454.97 arc(-171.94,452.92) -170.89,450.65 -146.02,459.5 arc(-149.08,466.12) -153.29,472.08 -173,454.94 arc(-171.7,453.06) -170.73,450.99 -146.53,460.12 arc(-149.31,465.99) -153,471.32 -172.63,454.9 arc(-171.47,453.19) -170.57,451.34 -147.05,460.72 arc(-149.54,465.85) -152.75,470.58 -172.26,454.85 arc(-171.24,453.33) -170.42,451.68 -147.58,461.29 arc(-149.78,465.72) -152.51,469.84 -171.88,454.8 arc(-171.01,453.46) -170.28,452.03 -148.1,461.83 arc(-147.74,460.99) -150.01,465.58 ; -183.89,433.02 arc(-185.59,433.13) -187,433.4 -193.68,406.21 arc(-183.89,405.02) -174.1,406.21 -180.98,433.08 arc(-183.89,432.75) -186.8,433.08 -192.82,406.28 arc(-183.89,405.29) -174.96,406.28 -181.19,432.76 arc(-183.89,432.49) -186.6,432.76 -191.98,406.37 arc(-183.89,405.56) -175.8,406.37 -181.4,432.45 arc(-183.89,432.22) -186.39,432.45 -191.16,406.49 arc(-183.89,405.83) -176.62,406.49 -181.61,432.14 arc(-183.89,431.95) -186.17,432.14 -190.36,406.62 arc(-183.89,406.09) -177.42,406.62 -181.83,431.83 arc(-183.89,431.68) -185.95,431.83 -189.58,406.77 arc(-183.89,406.36) -178.2,406.77 -182.06,431.53 arc(-183.89,431.41) -185.72,431.53 -188.83,406.94 arc(-183.89,406.63) -178.95,406.94 -182.29,431.23 arc(-183.89,431.15) -185.49,431.23 -188.09,407.12 arc(-189,407.23) -183.89,406.9